# Altium PCB AC_controller_v1_0.PcbDoc (part 1 of 2) (continued)
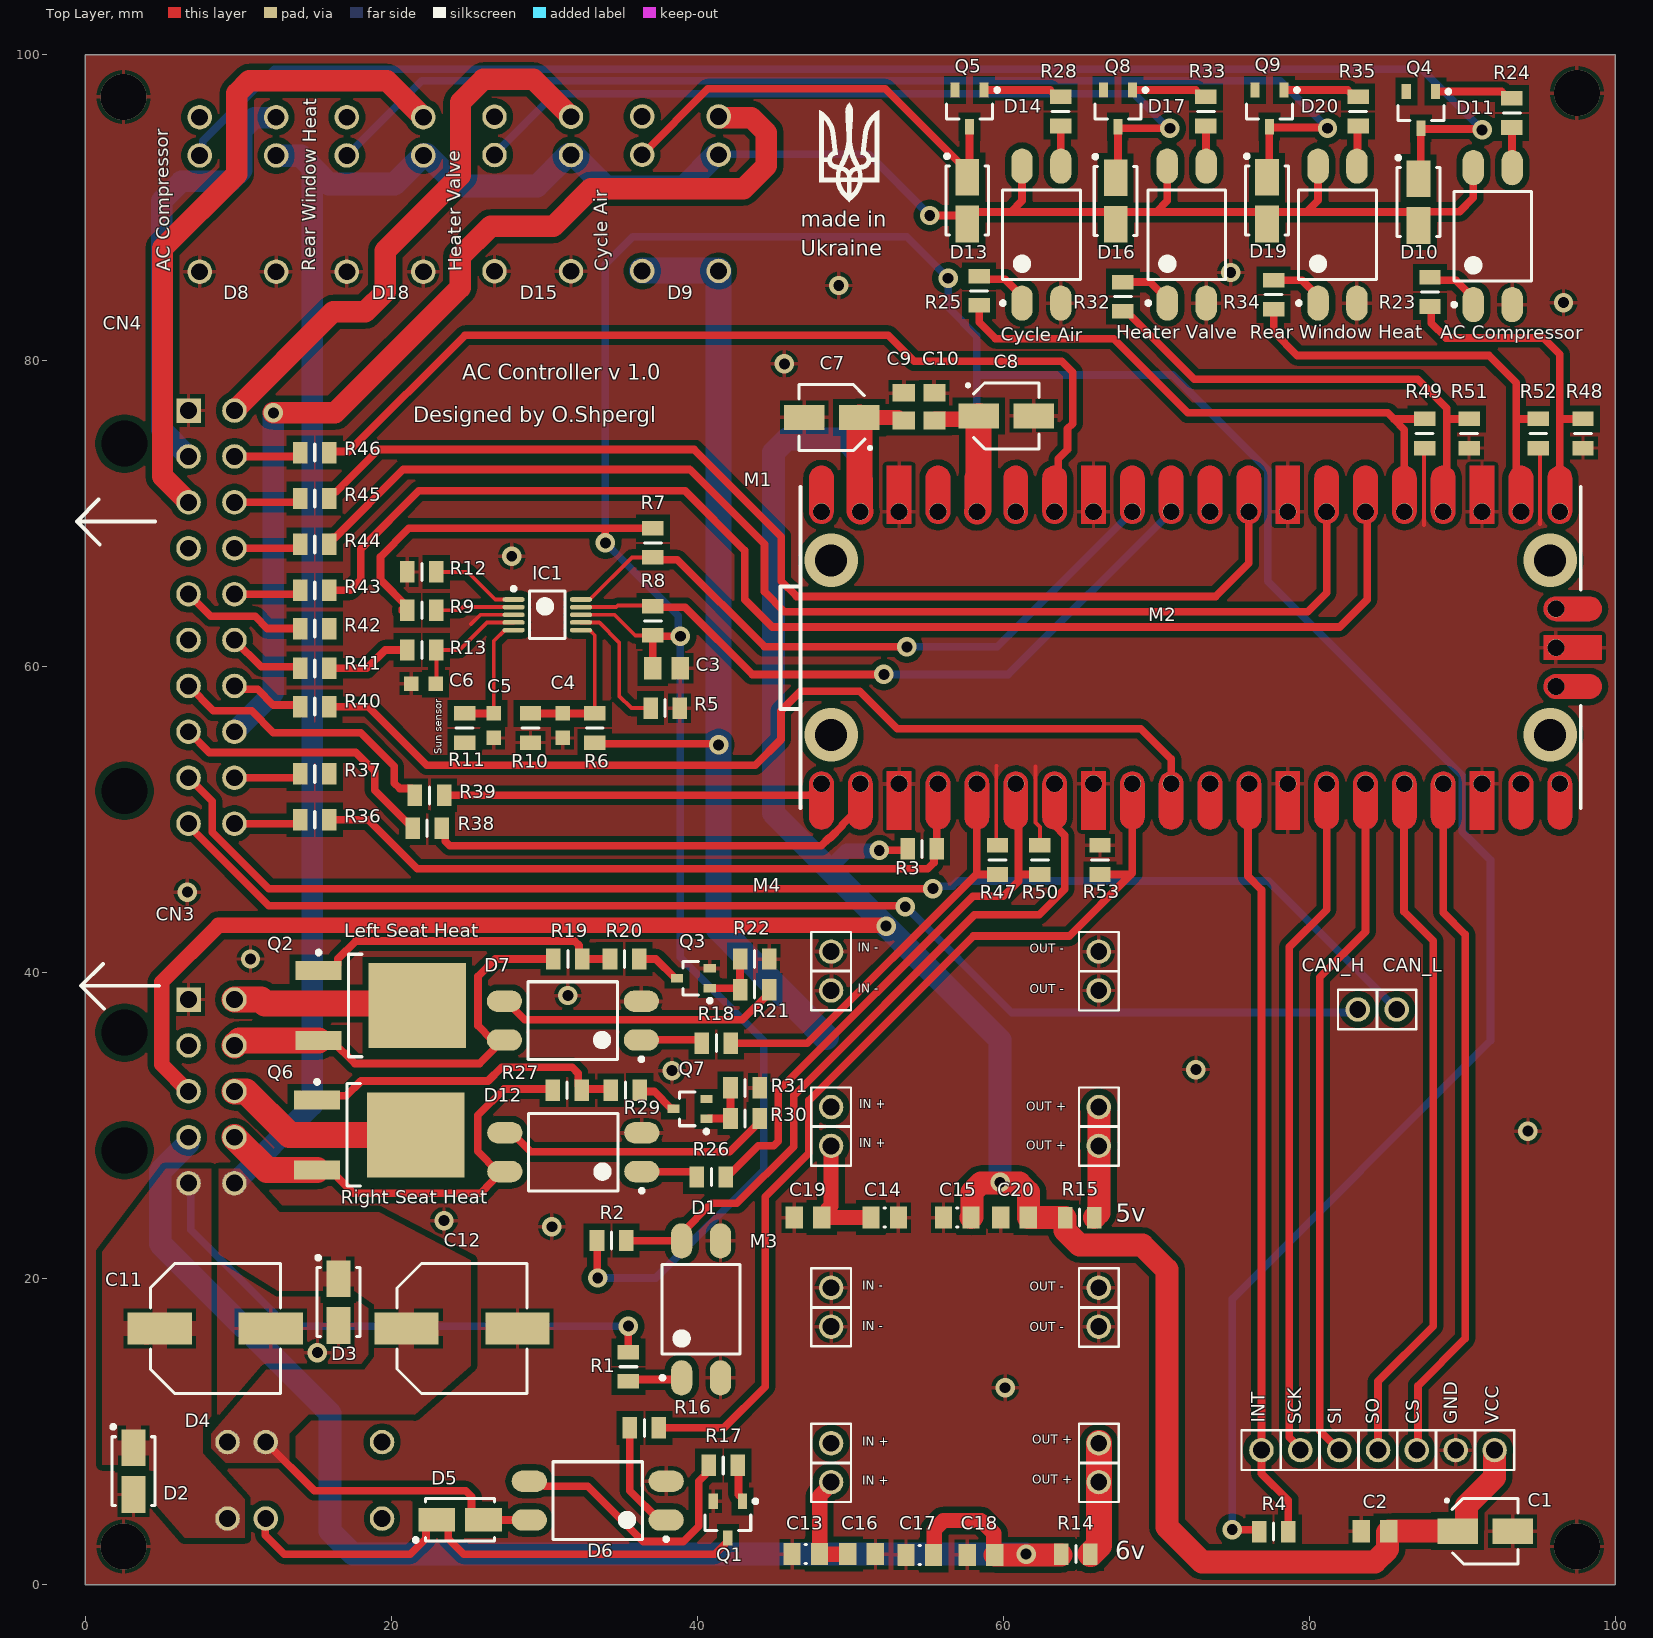
[diagram p0: Top Layer view]
## Footprints (in the part's own frame and the unit in brackets; to place one, negate y for a bottom-side part, rotate by r counter-clockwise, add the part's x,y. Pads: shape width x height; smd on the part's side, far side on the other; paste and mask are expansions set on the pad)
CAPAE430X550N [mm]
  rect 2.65x1.65 smd: 1(-1.8,0) 2(1.8,0)
  silkscreen extent -2.6,-2.15 2.15,2.15, body extent -2.3,-2.15 2.3,2.15, height 5.4
CAPAE9983X102N [mm] "Aluminum Electrolytic Capacitor, Body 8,30x8,30x10,20mm, IPC Medium Density"
  rect 4.2x2.1 smd: 1(-3.625,0) 2(3.625,0)
  silkscreen extent -4.25,-4.25 4.25,4.25, body extent -4.25,-4.25 4.25,4.25, height 10.2
CAPC1608X87N [mm]
  rect 0.95x0.95 smd: 1(-0.8,0) 2(0.8,0)
  body extent -0.8,-0.4 0.8,0.4, height 0.9
CAPC2012X88N [mm]
  rect 1.15x1.45 smd: 1(-0.9,0) 2(0.9,0)
  body extent -1,-0.62 1,0.63, height 1
CAPC2012X140N [mm]
  rect 1.1x1.45 smd: 1(-0.9,0) 2(0.9,0)
  silkscreen extent -0.05,-0.62 0.05,0.63, body extent -1,-0.63 1,0.64, height 1.42
CN_10pin_MFGK-10 [mm] "20 pin Micro Fit 3.0 male connetctor"
  rect 1.6x1.6 hole 1.1: 1(2.75,6)
  round 1.6 hole 1.1: 2(2.75,3) 3(2.75,0) 4(2.75,-3) 5(2.75,-6) 6(5.75,-6) 7(5.75,-3) 8(5.75,0) 9(5.75,3) 10(5.75,6)
  round 1.6 hole 3: Z(-1.435,-3.86) Z(-1.435,3.84)
  silkscreen extent -4.28,5.4 0.83,8.32, body extent -6.1,-9.58 6.13,9.57, height 8.73
CN_20pin_MFGK-20 [mm] "20 pin Micro Fit 3.0 male connetctor"
  rect 1.6x1.6 hole 1.1: 1(3,13.5)
  round 1.6 hole 1.1: 2(3,10.5) 3(3,7.5) 4(3,4.5) 5(3,1.5) 6(3,-1.5) 7(3,-4.5) 8(3,-7.5) 9(3,-10.5) 10(3,-13.5) 11(6,-13.5) 12(6,-10.5) 13(6,-7.5) 14(6,-4.5) 15(6,-1.5) 16(6,1.5) 17(6,4.5) 18(6,7.5) 19(6,10.5) 20(6,13.5)
  round 1.6 hole 3: Z(-1.185,-11.36) Z(-1.185,11.34)
  silkscreen extent -4.3,4.75 0.8,7.68, body extent -5.95,-17.08 6.28,17.07, height 8.78
DO-214AC [mm] "Molded Diode, 2-Leads, Body 4,25x2,67mm, IPC Medium Density"
  rect 2.4x1.55 smd: 1(-1.525,0) 2(1.525,0)
  silkscreen extent -2.25,-1.4 3.02,1.45, body extent -2.25,-1.4 2.25,1.39, height 2.29
DPAK229P991X239-3N [mm] "D-PAK, 3-Pads, Body 6,21x6,73mm (max), IPC Medium Density"
  rect 3x1.25 smd: 1(-4.1,2.29) 3(-4.1,-2.29)
  rect 6.4x5.55 smd: 2(2.35,0)
  silkscreen extent -4.22,-3.35 -1.25,3.59, body extent -2.15,-3.37 4.07,3.37, height 2.39
"IC_LiteOn_ LTV-817S" [mm]
  oval 2.3x1.4 smd: 1(-4.475,1.27) 2(-4.475,-1.27) 3(4.475,-1.27) 4(4.475,1.27)
  silkscreen extent -4.6,-2.54 2.93,2.64, body extent -5.08,-2.31 5.08,2.29, height 3.74
MCH_BSC_SS_112L [mm]
  round 1.6 hole 1.1: 1(-2.4,2.1) 2(-2.4,-5.5) 3(-2.4,-8) 4(2.6,-8) 5(2.6,-5.5) 6(2.6,2.1)
  body extent -3.65,-9.82 3.85,2.8, height 10
MOD_MCP2515 [mm] "MOD_MCP2515 CAN module"
  round 1.6 hole 1.1: 1(0,0) 2(0,-2.54) 3(0,-5.08) 4(0,-7.62) 5(0,-10.16) 6(0,-12.7) 7(0,-15.24) 8(28.8,-8.84) 9(28.8,-6.3)
  silkscreen extent -1.3,-16.51 30.1,1.3, body extent -1.31,-21.63 38.81,6.37, height 13.46
MOD_MP1584_3A [mm] "DC-DC converter 3A"
  round 1.6 hole 1.1: 1(0,0) 2(0,-2.54) 3(0,-10.16) 4(0,-12.7) 5(17.5,-12.7) 6(17.5,-10.16) 7(17.5,-2.54) 8(17.5,0)
  silkscreen extent -1.3,-13.97 18.8,1.3, body extent -2.25,-14.7 19.85,2.1, height 4.1
MOD_Raspberry_Pi_Pico [mm]
  round 1.125 hole 1.1: 1(-8.89,24.13) 2(-8.89,21.59) 3(-8.89,19.05) 4(-8.89,16.51) 5(-8.89,13.97) 6(-8.89,11.43) 7(-8.89,8.89) 8(-8.89,6.35) 9(-8.89,3.81) 10(-8.89,1.27) 11(-8.89,-1.27) 12(-8.89,-3.81) 13(-8.89,-6.35) 14(-8.89,-8.89) 15(-8.89,-11.43) 16(-8.89,-13.97) 17(-8.89,-16.51) 18(-8.89,-19.05) 19(-8.89,-21.59) 20(-8.89,-24.13) 21(8.89,-24.13) 22(8.89,-21.59) 23(8.89,-19.05) 24(8.89,-16.51) 25(8.89,-13.97) 26(8.89,-11.43) 27(8.89,-8.89) 28(8.89,-6.35) 29(8.89,-3.81) 30(8.89,-1.27) 31(8.89,1.27) 32(8.89,3.81) 33(8.89,6.35) 34(8.89,8.89) 35(8.89,11.43) 36(8.89,13.97) 37(8.89,16.51) 38(8.89,19.05) 39(8.89,21.59) 40(8.89,24.13) 41(-2.54,-23.876) 42(0,-23.876) 43(2.54,-23.876)
  Top Layer region: 1.74,-23.876 1.847,-23.476 2.14,-23.183 2.54,-23.076 2.54,-23.076 2.846,-23.137 3.106,-23.31 3.279,-23.57 3.34,-23.876 3.34,-23.876 3.34,-26.076 3.279,-26.382 3.106,-26.642 2.846,-26.815 2.54,-26.876 2.54,-26.876 2.234,-26.815 1.974,-26.642 1.801,-26.382 1.74,-26.076 1.74,-26.076
  Top Layer region: -3.34,-23.876 -3.233,-23.476 -2.94,-23.183 -2.54,-23.076 -2.54,-23.076 -2.234,-23.137 -1.974,-23.31 -1.801,-23.57 -1.74,-23.876 -1.74,-23.876 -1.74,-26.076 -1.801,-26.382 -1.974,-26.642 -2.234,-26.815 -2.54,-26.876 -2.54,-26.876 -2.846,-26.815 -3.106,-26.642 -3.279,-26.382 -3.34,-26.076 -3.34,-26.076
  Top Layer region: -0.8,-23.076 0.8,-23.076 0.8,-26.876 -0.8,-26.876
  Top Layer region: 8.09,7.15 8.09,5.55 11.89,5.55 11.89,7.15
  Top Layer region: 8.09,-5.55 8.09,-7.15 11.89,-7.15 11.89,-5.55
  Top Layer region: -8.09,-18.25 -8.09,-19.85 -11.89,-19.85 -11.89,-18.25
  Top Layer region: -8.09,-5.55 -8.09,-7.15 -11.89,-7.15 -11.89,-5.55
  Top Layer region: 8.89,23.33 8.49,23.437 8.197,23.73 8.09,24.13 8.09,24.13 8.151,24.436 8.324,24.696 8.584,24.869 8.89,24.93 8.89,24.93 11.09,24.93 11.396,24.869 11.656,24.696 11.829,24.436 11.89,24.13 11.89,24.13 11.829,23.824 11.656,23.564 11.396,23.391 11.09,23.33 11.09,23.33
  Top Layer region: 8.89,20.79 8.49,20.897 8.197,21.19 8.09,21.59 8.09,21.59 8.151,21.896 8.324,22.156 8.584,22.329 8.89,22.39 8.89,22.39 11.09,22.39 11.396,22.329 11.656,22.156 11.829,21.896 11.89,21.59 11.89,21.59 11.829,21.284 11.656,21.024 11.396,20.851 11.09,20.79 11.09,20.79
  Top Layer region: 8.89,15.71 8.49,15.817 8.197,16.11 8.09,16.51 8.09,16.51 8.151,16.816 8.324,17.076 8.584,17.249 8.89,17.31 8.89,17.31 11.09,17.31 11.396,17.249 11.656,17.076 11.829,16.816 11.89,16.51 11.89,16.51 11.829,16.204 11.656,15.944 11.396,15.771 11.09,15.71 11.09,15.71
  Top Layer region: 8.89,13.17 8.49,13.277 8.197,13.57 8.09,13.97 8.09,13.97 8.151,14.276 8.324,14.536 8.584,14.709 8.89,14.77 8.89,14.77 11.09,14.77 11.396,14.709 11.656,14.536 11.829,14.276 11.89,13.97 11.89,13.97 11.829,13.664 11.656,13.404 11.396,13.231 11.09,13.17 11.09,13.17
  Top Layer region: 8.89,10.63 8.49,10.737 8.197,11.03 8.09,11.43 8.09,11.43 8.151,11.736 8.324,11.996 8.584,12.169 8.89,12.23 8.89,12.23 11.09,12.23 11.396,12.169 11.656,11.996 11.829,11.736 11.89,11.43 11.89,11.43 11.829,11.124 11.656,10.864 11.396,10.691 11.09,10.63 11.09,10.63
  Top Layer region: 8.89,8.09 8.49,8.197 8.197,8.49 8.09,8.89 8.09,8.89 8.151,9.196 8.324,9.456 8.584,9.629 8.89,9.69 8.89,9.69 11.09,9.69 11.396,9.629 11.656,9.456 11.829,9.196 11.89,8.89 11.89,8.89 11.829,8.584 11.656,8.324 11.396,8.151 11.09,8.09 11.09,8.09
  Top Layer region: 8.89,3.01 8.49,3.117 8.197,3.41 8.09,3.81 8.09,3.81 8.151,4.116 8.324,4.376 8.584,4.549 8.89,4.61 8.89,4.61 11.09,4.61 11.396,4.549 11.656,4.376 11.829,4.116 11.89,3.81 11.89,3.81 11.829,3.504 11.656,3.244 11.396,3.071 11.09,3.01 11.09,3.01
  Top Layer region: 8.89,0.47 8.49,0.577 8.197,0.87 8.09,1.27 8.09,1.27 8.151,1.576 8.324,1.836 8.584,2.009 8.89,2.07 8.89,2.07 11.09,2.07 11.396,2.009 11.656,1.836 11.829,1.576 11.89,1.27 11.89,1.27 11.829,0.964 11.656,0.704 11.396,0.531 11.09,0.47 11.09,0.47
  Top Layer region: 8.89,-2.07 8.49,-1.963 8.197,-1.67 8.09,-1.27 8.09,-1.27 8.151,-0.964 8.324,-0.704 8.584,-0.531 8.89,-0.47 8.89,-0.47 11.09,-0.47 11.396,-0.531 11.656,-0.704 11.829,-0.964 11.89,-1.27 11.89,-1.27 11.829,-1.576 11.656,-1.836 11.396,-2.009 11.09,-2.07 11.09,-2.07
  Top Layer region: 8.89,-4.61 8.49,-4.503 8.197,-4.21 8.09,-3.81 8.09,-3.81 8.151,-3.504 8.324,-3.244 8.584,-3.071 8.89,-3.01 8.89,-3.01 11.09,-3.01 11.396,-3.071 11.656,-3.244 11.829,-3.504 11.89,-3.81 11.89,-3.81 11.829,-4.116 11.656,-4.376 11.396,-4.549 11.09,-4.61 11.09,-4.61
  Top Layer region: 8.89,-9.69 8.49,-9.583 8.197,-9.29 8.09,-8.89 8.09,-8.89 8.151,-8.584 8.324,-8.324 8.584,-8.151 8.89,-8.09 8.89,-8.09 11.09,-8.09 11.396,-8.151 11.656,-8.324 11.829,-8.584 11.89,-8.89 11.89,-8.89 11.829,-9.196 11.656,-9.456 11.396,-9.629 11.09,-9.69 11.09,-9.69
  Top Layer region: 8.89,-12.23 8.49,-12.123 8.197,-11.83 8.09,-11.43 8.09,-11.43 8.151,-11.124 8.324,-10.864 8.584,-10.691 8.89,-10.63 8.89,-10.63 11.09,-10.63 11.396,-10.691 11.656,-10.864 11.829,-11.124 11.89,-11.43 11.89,-11.43 11.829,-11.736 11.656,-11.996 11.396,-12.169 11.09,-12.23 11.09,-12.23
  Top Layer region: 8.89,-14.77 8.49,-14.663 8.197,-14.37 8.09,-13.97 8.09,-13.97 8.151,-13.664 8.324,-13.404 8.584,-13.231 8.89,-13.17 8.89,-13.17 11.09,-13.17 11.396,-13.231 11.656,-13.404 11.829,-13.664 11.89,-13.97 11.89,-13.97 11.829,-14.276 11.656,-14.536 11.396,-14.709 11.09,-14.77 11.09,-14.77
  Top Layer region: 8.89,-17.31 8.49,-17.203 8.197,-16.91 8.09,-16.51 8.09,-16.51 8.151,-16.204 8.324,-15.944 8.584,-15.771 8.89,-15.71 8.89,-15.71 11.09,-15.71 11.396,-15.771 11.656,-15.944 11.829,-16.204 11.89,-16.51 11.89,-16.51 11.829,-16.816 11.656,-17.076 11.396,-17.249 11.09,-17.31 11.09,-17.31
  Top Layer region: 8.89,-22.39 8.49,-22.283 8.197,-21.99 8.09,-21.59 8.09,-21.59 8.151,-21.284 8.324,-21.024 8.584,-20.851 8.89,-20.79 8.89,-20.79 11.09,-20.79 11.396,-20.851 11.656,-21.024 11.829,-21.284 11.89,-21.59 11.89,-21.59 11.829,-21.896 11.656,-22.156 11.396,-22.329 11.09,-22.39 11.09,-22.39
  Top Layer region: 8.89,-24.93 8.49,-24.823 8.197,-24.53 8.09,-24.13 8.09,-24.13 8.151,-23.824 8.324,-23.564 8.584,-23.391 8.89,-23.33 8.89,-23.33 11.09,-23.33 11.396,-23.391 11.656,-23.564 11.829,-23.824 11.89,-24.13 11.89,-24.13 11.829,-24.436 11.656,-24.696 11.396,-24.869 11.09,-24.93 11.09,-24.93
  Top Layer region: -8.89,-23.33 -8.49,-23.437 -8.197,-23.73 -8.09,-24.13 -8.09,-24.13 -8.151,-24.436 -8.324,-24.696 -8.584,-24.869 -8.89,-24.93 -8.89,-24.93 -11.09,-24.93 -11.396,-24.869 -11.656,-24.696 -11.829,-24.436 -11.89,-24.13 -11.89,-24.13 -11.829,-23.824 -11.656,-23.564 -11.396,-23.391 -11.09,-23.33 -11.09,-23.33
  Top Layer region: -8.89,-20.79 -8.49,-20.897 -8.197,-21.19 -8.09,-21.59 -8.09,-21.59 -8.151,-21.896 -8.324,-22.156 -8.584,-22.329 -8.89,-22.39 -8.89,-22.39 -11.09,-22.39 -11.396,-22.329 -11.656,-22.156 -11.829,-21.896 -11.89,-21.59 -11.89,-21.59 -11.829,-21.284 -11.656,-21.024 -11.396,-20.851 -11.09,-20.79 -11.09,-20.79
  Top Layer region: -8.89,-15.71 -8.49,-15.817 -8.197,-16.11 -8.09,-16.51 -8.09,-16.51 -8.151,-16.816 -8.324,-17.076 -8.584,-17.249 -8.89,-17.31 -8.89,-17.31 -11.09,-17.31 -11.396,-17.249 -11.656,-17.076 -11.829,-16.816 -11.89,-16.51 -11.89,-16.51 -11.829,-16.204 -11.656,-15.944 -11.396,-15.771 -11.09,-15.71 -11.09,-15.71
  Top Layer region: -8.89,-13.17 -8.49,-13.277 -8.197,-13.57 -8.09,-13.97 -8.09,-13.97 -8.151,-14.276 -8.324,-14.536 -8.584,-14.709 -8.89,-14.77 -8.89,-14.77 -11.09,-14.77 -11.396,-14.709 -11.656,-14.536 -11.829,-14.276 -11.89,-13.97 -11.89,-13.97 -11.829,-13.664 -11.656,-13.404 -11.396,-13.231 -11.09,-13.17 -11.09,-13.17
  Top Layer region: -8.89,-10.63 -8.49,-10.737 -8.197,-11.03 -8.09,-11.43 -8.09,-11.43 -8.151,-11.736 -8.324,-11.996 -8.584,-12.169 -8.89,-12.23 -8.89,-12.23 -11.09,-12.23 -11.396,-12.169 -11.656,-11.996 -11.829,-11.736 -11.89,-11.43 -11.89,-11.43 -11.829,-11.124 -11.656,-10.864 -11.396,-10.691 -11.09,-10.63 -11.09,-10.63
  Top Layer region: -8.89,-8.09 -8.49,-8.197 -8.197,-8.49 -8.09,-8.89 -8.09,-8.89 -8.151,-9.196 -8.324,-9.456 -8.584,-9.629 -8.89,-9.69 -8.89,-9.69 -11.09,-9.69 -11.396,-9.629 -11.656,-9.456 -11.829,-9.196 -11.89,-8.89 -11.89,-8.89 -11.829,-8.584 -11.656,-8.324 -11.396,-8.151 -11.09,-8.09 -11.09,-8.09
  Top Layer region: -8.89,-3.01 -8.49,-3.117 -8.197,-3.41 -8.09,-3.81 -8.09,-3.81 -8.151,-4.116 -8.324,-4.376 -8.584,-4.549 -8.89,-4.61 -8.89,-4.61 -11.09,-4.61 -11.396,-4.549 -11.656,-4.376 -11.829,-4.116 -11.89,-3.81 -11.89,-3.81 -11.829,-3.504 -11.656,-3.244 -11.396,-3.071 -11.09,-3.01 -11.09,-3.01
  Top Layer region: -8.89,-0.47 -8.49,-0.577 -8.197,-0.87 -8.09,-1.27 -8.09,-1.27 -8.151,-1.576 -8.324,-1.836 -8.584,-2.009 -8.89,-2.07 -8.89,-2.07 -11.09,-2.07 -11.396,-2.009 -11.656,-1.836 -11.829,-1.576 -11.89,-1.27 -11.89,-1.27 -11.829,-0.964 -11.656,-0.704 -11.396,-0.531 -11.09,-0.47 -11.09,-0.47
  Top Layer region: -8.89,2.07 -8.49,1.963 -8.197,1.67 -8.09,1.27 -8.09,1.27 -8.151,0.964 -8.324,0.704 -8.584,0.531 -8.89,0.47 -8.89,0.47 -11.09,0.47 -11.396,0.531 -11.656,0.704 -11.829,0.964 -11.89,1.27 -11.89,1.27 -11.829,1.576 -11.656,1.836 -11.396,2.009 -11.09,2.07 -11.09,2.07
  Top Layer region: -8.89,4.61 -8.49,4.503 -8.197,4.21 -8.09,3.81 -8.09,3.81 -8.151,3.504 -8.324,3.244 -8.584,3.071 -8.89,3.01 -8.89,3.01 -11.09,3.01 -11.396,3.071 -11.656,3.244 -11.829,3.504 -11.89,3.81 -11.89,3.81 -11.829,4.116 -11.656,4.376 -11.396,4.549 -11.09,4.61 -11.09,4.61
  Top Layer region: -8.89,9.69 -8.49,9.583 -8.197,9.29 -8.09,8.89 -8.09,8.89 -8.151,8.584 -8.324,8.324 -8.584,8.151 -8.89,8.09 -8.89,8.09 -11.09,8.09 -11.396,8.151 -11.656,8.324 -11.829,8.584 -11.89,8.89 -11.89,8.89 -11.829,9.196 -11.656,9.456 -11.396,9.629 -11.09,9.69 -11.09,9.69
  Top Layer region: -8.89,12.23 -8.49,12.123 -8.197,11.83 -8.09,11.43 -8.09,11.43 -8.151,11.124 -8.324,10.864 -8.584,10.691 -8.89,10.63 -8.89,10.63 -11.09,10.63 -11.396,10.691 -11.656,10.864 -11.829,11.124 -11.89,11.43 -11.89,11.43 -11.829,11.736 -11.656,11.996 -11.396,12.169 -11.09,12.23 -11.09,12.23
  Top Layer region: -8.89,14.77 -8.49,14.663 -8.197,14.37 -8.09,13.97 -8.09,13.97 -8.151,13.664 -8.324,13.404 -8.584,13.231 -8.89,13.17 -8.89,13.17 -11.09,13.17 -11.396,13.231 -11.656,13.404 -11.829,13.664 -11.89,13.97 -11.89,13.97 -11.829,14.276 -11.656,14.536 -11.396,14.709 -11.09,14.77 -11.09,14.77
  Top Layer region: -8.89,17.31 -8.49,17.203 -8.197,16.91 -8.09,16.51 -8.09,16.51 -8.151,16.204 -8.324,15.944 -8.584,15.771 -8.89,15.71 -8.89,15.71 -11.09,15.71 -11.396,15.771 -11.656,15.944 -11.829,16.204 -11.89,16.51 -11.89,16.51 -11.829,16.816 -11.656,17.076 -11.396,17.249 -11.09,17.31 -11.09,17.31
  Top Layer region: -8.89,22.39 -8.49,22.283 -8.197,21.99 -8.09,21.59 -8.09,21.59 -8.151,21.284 -8.324,21.024 -8.584,20.851 -8.89,20.79 -8.89,20.79 -11.09,20.79 -11.396,20.851 -11.656,21.024 -11.829,21.284 -11.89,21.59 -11.89,21.59 -11.829,21.896 -11.656,22.156 -11.396,22.329 -11.09,22.39 -11.09,22.39
  Top Layer region: -8.89,24.93 -8.49,24.823 -8.197,24.53 -8.09,24.13 -8.09,24.13 -8.151,23.824 -8.324,23.564 -8.584,23.391 -8.89,23.33 -8.89,23.33 -11.09,23.33 -11.396,23.391 -11.656,23.564 -11.829,23.824 -11.89,24.13 -11.89,24.13 -11.829,24.436 -11.656,24.696 -11.396,24.869 -11.09,24.93 -11.09,24.93
  Top Layer region: -8.09,19.85 -8.09,18.25 -11.89,18.25 -11.89,19.85
  Top Layer region: -8.09,7.15 -8.09,5.55 -11.89,5.55 -11.89,7.15
  Top Layer region: 8.09,19.85 8.09,18.25 11.89,18.25 11.89,19.85
  Top Layer region: 8.09,-18.25 8.09,-19.85 11.89,-19.85 11.89,-18.25
  Bottom Layer region: 1.74,-23.876 1.847,-23.476 2.14,-23.183 2.54,-23.076 2.54,-23.076 2.846,-23.137 3.106,-23.31 3.279,-23.57 3.34,-23.876 3.34,-23.876 3.34,-26.076 3.279,-26.382 3.106,-26.642 2.846,-26.815 2.54,-26.876 2.54,-26.876 2.234,-26.815 1.974,-26.642 1.801,-26.382 1.74,-26.076 1.74,-26.076
  Bottom Layer region: -3.34,-23.876 -3.233,-23.476 -2.94,-23.183 -2.54,-23.076 -2.54,-23.076 -2.234,-23.137 -1.974,-23.31 -1.801,-23.57 -1.74,-23.876 -1.74,-23.876 -1.74,-26.076 -1.801,-26.382 -1.974,-26.642 -2.234,-26.815 -2.54,-26.876 -2.54,-26.876 -2.846,-26.815 -3.106,-26.642 -3.279,-26.382 -3.34,-26.076 -3.34,-26.076
  Bottom Layer region: -0.8,-23.076 0.8,-23.076 0.8,-26.876 -0.8,-26.876
  Bottom Layer region: 8.09,7.15 8.09,5.55 11.89,5.55 11.89,7.15
  Bottom Layer region: 8.09,-5.55 8.09,-7.15 11.89,-7.15 11.89,-5.55
  Bottom Layer region: -8.09,-18.25 -8.09,-19.85 -11.89,-19.85 -11.89,-18.25
  Bottom Layer region: -8.09,-5.55 -8.09,-7.15 -11.89,-7.15 -11.89,-5.55
  Bottom Layer region: 8.89,23.33 8.49,23.437 8.197,23.73 8.09,24.13 8.09,24.13 8.151,24.436 8.324,24.696 8.584,24.869 8.89,24.93 8.89,24.93 11.09,24.93 11.396,24.869 11.656,24.696 11.829,24.436 11.89,24.13 11.89,24.13 11.829,23.824 11.656,23.564 11.396,23.391 11.09,23.33 11.09,23.33
  Bottom Layer region: 8.89,20.79 8.49,20.897 8.197,21.19 8.09,21.59 8.09,21.59 8.151,21.896 8.324,22.156 8.584,22.329 8.89,22.39 8.89,22.39 11.09,22.39 11.396,22.329 11.656,22.156 11.829,21.896 11.89,21.59 11.89,21.59 11.829,21.284 11.656,21.024 11.396,20.851 11.09,20.79 11.09,20.79
  Bottom Layer region: 8.89,15.71 8.49,15.817 8.197,16.11 8.09,16.51 8.09,16.51 8.151,16.816 8.324,17.076 8.584,17.249 8.89,17.31 8.89,17.31 11.09,17.31 11.396,17.249 11.656,17.076 11.829,16.816 11.89,16.51 11.89,16.51 11.829,16.204 11.656,15.944 11.396,15.771 11.09,15.71 11.09,15.71
  Bottom Layer region: 8.89,13.17 8.49,13.277 8.197,13.57 8.09,13.97 8.09,13.97 8.151,14.276 8.324,14.536 8.584,14.709 8.89,14.77 8.89,14.77 11.09,14.77 11.396,14.709 11.656,14.536 11.829,14.276 11.89,13.97 11.89,13.97 11.829,13.664 11.656,13.404 11.396,13.231 11.09,13.17 11.09,13.17
  Bottom Layer region: 8.89,10.63 8.49,10.737 8.197,11.03 8.09,11.43 8.09,11.43 8.151,11.736 8.324,11.996 8.584,12.169 8.89,12.23 8.89,12.23 11.09,12.23 11.396,12.169 11.656,11.996 11.829,11.736 11.89,11.43 11.89,11.43 11.829,11.124 11.656,10.864 11.396,10.691 11.09,10.63 11.09,10.63
  Bottom Layer region: 8.89,8.09 8.49,8.197 8.197,8.49 8.09,8.89 8.09,8.89 8.151,9.196 8.324,9.456 8.584,9.629 8.89,9.69 8.89,9.69 11.09,9.69 11.396,9.629 11.656,9.456 11.829,9.196 11.89,8.89 11.89,8.89 11.829,8.584 11.656,8.324 11.396,8.151 11.09,8.09 11.09,8.09
  Bottom Layer region: 8.89,3.01 8.49,3.117 8.197,3.41 8.09,3.81 8.09,3.81 8.151,4.116 8.324,4.376 8.584,4.549 8.89,4.61 8.89,4.61 11.09,4.61 11.396,4.549 11.656,4.376 11.829,4.116 11.89,3.81 11.89,3.81 11.829,3.504 11.656,3.244 11.396,3.071 11.09,3.01 11.09,3.01
  Bottom Layer region: 8.89,0.47 8.49,0.577 8.197,0.87 8.09,1.27 8.09,1.27 8.151,1.576 8.324,1.836 8.584,2.009 8.89,2.07 8.89,2.07 11.09,2.07 11.396,2.009 11.656,1.836 11.829,1.576 11.89,1.27 11.89,1.27 11.829,0.964 11.656,0.704 11.396,0.531 11.09,0.47 11.09,0.47
  Bottom Layer region: 8.89,-2.07 8.49,-1.963 8.197,-1.67 8.09,-1.27 8.09,-1.27 8.151,-0.964 8.324,-0.704 8.584,-0.531 8.89,-0.47 8.89,-0.47 11.09,-0.47 11.396,-0.531 11.656,-0.704 11.829,-0.964 11.89,-1.27 11.89,-1.27 11.829,-1.576 11.656,-1.836 11.396,-2.009 11.09,-2.07 11.09,-2.07
  Bottom Layer region: 8.89,-4.61 8.49,-4.503 8.197,-4.21 8.09,-3.81 8.09,-3.81 8.151,-3.504 8.324,-3.244 8.584,-3.071 8.89,-3.01 8.89,-3.01 11.09,-3.01 11.396,-3.071 11.656,-3.244 11.829,-3.504 11.89,-3.81 11.89,-3.81 11.829,-4.116 11.656,-4.376 11.396,-4.549 11.09,-4.61 11.09,-4.61
  Bottom Layer region: 8.89,-9.69 8.49,-9.583 8.197,-9.29 8.09,-8.89 8.09,-8.89 8.151,-8.584 8.324,-8.324 8.584,-8.151 8.89,-8.09 8.89,-8.09 11.09,-8.09 11.396,-8.151 11.656,-8.324 11.829,-8.584 11.89,-8.89 11.89,-8.89 11.829,-9.196 11.656,-9.456 11.396,-9.629 11.09,-9.69 11.09,-9.69
  Bottom Layer region: 8.89,-12.23 8.49,-12.123 8.197,-11.83 8.09,-11.43 8.09,-11.43 8.151,-11.124 8.324,-10.864 8.584,-10.691 8.89,-10.63 8.89,-10.63 11.09,-10.63 11.396,-10.691 11.656,-10.864 11.829,-11.124 11.89,-11.43 11.89,-11.43 11.829,-11.736 11.656,-11.996 11.396,-12.169 11.09,-12.23 11.09,-12.23
  Bottom Layer region: 8.89,-14.77 8.49,-14.663 8.197,-14.37 8.09,-13.97 8.09,-13.97 8.151,-13.664 8.324,-13.404 8.584,-13.231 8.89,-13.17 8.89,-13.17 11.09,-13.17 11.396,-13.231 11.656,-13.404 11.829,-13.664 11.89,-13.97 11.89,-13.97 11.829,-14.276 11.656,-14.536 11.396,-14.709 11.09,-14.77 11.09,-14.77
  Bottom Layer region: 8.89,-17.31 8.49,-17.203 8.197,-16.91 8.09,-16.51 8.09,-16.51 8.151,-16.204 8.324,-15.944 8.584,-15.771 8.89,-15.71 8.89,-15.71 11.09,-15.71 11.396,-15.771 11.656,-15.944 11.829,-16.204 11.89,-16.51 11.89,-16.51 11.829,-16.816 11.656,-17.076 11.396,-17.249 11.09,-17.31 11.09,-17.31
  Bottom Layer region: 8.89,-22.39 8.49,-22.283 8.197,-21.99 8.09,-21.59 8.09,-21.59 8.151,-21.284 8.324,-21.024 8.584,-20.851 8.89,-20.79 8.89,-20.79 11.09,-20.79 11.396,-20.851 11.656,-21.024 11.829,-21.284 11.89,-21.59 11.89,-21.59 11.829,-21.896 11.656,-22.156 11.396,-22.329 11.09,-22.39 11.09,-22.39
  Bottom Layer region: 8.89,-24.93 8.49,-24.823 8.197,-24.53 8.09,-24.13 8.09,-24.13 8.151,-23.824 8.324,-23.564 8.584,-23.391 8.89,-23.33 8.89,-23.33 11.09,-23.33 11.396,-23.391 11.656,-23.564 11.829,-23.824 11.89,-24.13 11.89,-24.13 11.829,-24.436 11.656,-24.696 11.396,-24.869 11.09,-24.93 11.09,-24.93
  Bottom Layer region: -8.89,-23.33 -8.49,-23.437 -8.197,-23.73 -8.09,-24.13 -8.09,-24.13 -8.151,-24.436 -8.324,-24.696 -8.584,-24.869 -8.89,-24.93 -8.89,-24.93 -11.09,-24.93 -11.396,-24.869 -11.656,-24.696 -11.829,-24.436 -11.89,-24.13 -11.89,-24.13 -11.829,-23.824 -11.656,-23.564 -11.396,-23.391 -11.09,-23.33 -11.09,-23.33
  Bottom Layer region: -8.89,-20.79 -8.49,-20.897 -8.197,-21.19 -8.09,-21.59 -8.09,-21.59 -8.151,-21.896 -8.324,-22.156 -8.584,-22.329 -8.89,-22.39 -8.89,-22.39 -11.09,-22.39 -11.396,-22.329 -11.656,-22.156 -11.829,-21.896 -11.89,-21.59 -11.89,-21.59 -11.829,-21.284 -11.656,-21.024 -11.396,-20.851 -11.09,-20.79 -11.09,-20.79
  Bottom Layer region: -8.89,-15.71 -8.49,-15.817 -8.197,-16.11 -8.09,-16.51 -8.09,-16.51 -8.151,-16.816 -8.324,-17.076 -8.584,-17.249 -8.89,-17.31 -8.89,-17.31 -11.09,-17.31 -11.396,-17.249 -11.656,-17.076 -11.829,-16.816 -11.89,-16.51 -11.89,-16.51 -11.829,-16.204 -11.656,-15.944 -11.396,-15.771 -11.09,-15.71 -11.09,-15.71
  Bottom Layer region: -8.89,-13.17 -8.49,-13.277 -8.197,-13.57 -8.09,-13.97 -8.09,-13.97 -8.151,-14.276 -8.324,-14.536 -8.584,-14.709 -8.89,-14.77 -8.89,-14.77 -11.09,-14.77 -11.396,-14.709 -11.656,-14.536 -11.829,-14.276 -11.89,-13.97 -11.89,-13.97 -11.829,-13.664 -11.656,-13.404 -11.396,-13.231 -11.09,-13.17 -11.09,-13.17
  Bottom Layer region: -8.89,-10.63 -8.49,-10.737 -8.197,-11.03 -8.09,-11.43 -8.09,-11.43 -8.151,-11.736 -8.324,-11.996 -8.584,-12.169 -8.89,-12.23 -8.89,-12.23 -11.09,-12.23 -11.396,-12.169 -11.656,-11.996 -11.829,-11.736 -11.89,-11.43 -11.89,-11.43 -11.829,-11.124 -11.656,-10.864 -11.396,-10.691 -11.09,-10.63 -11.09,-10.63
  Bottom Layer region: -8.89,-8.09 -8.49,-8.197 -8.197,-8.49 -8.09,-8.89 -8.09,-8.89 -8.151,-9.196 -8.324,-9.456 -8.584,-9.629 -8.89,-9.69 -8.89,-9.69 -11.09,-9.69 -11.396,-9.629 -11.656,-9.456 -11.829,-9.196 -11.89,-8.89 -11.89,-8.89 -11.829,-8.584 -11.656,-8.324 -11.396,-8.151 -11.09,-8.09 -11.09,-8.09
  Bottom Layer region: -8.89,-3.01 -8.49,-3.117 -8.197,-3.41 -8.09,-3.81 -8.09,-3.81 -8.151,-4.116 -8.324,-4.376 -8.584,-4.549 -8.89,-4.61 -8.89,-4.61 -11.09,-4.61 -11.396,-4.549 -11.656,-4.376 -11.829,-4.116 -11.89,-3.81 -11.89,-3.81 -11.829,-3.504 -11.656,-3.244 -11.396,-3.071 -11.09,-3.01 -11.09,-3.01
  Bottom Layer region: -8.89,-0.47 -8.49,-0.577 -8.197,-0.87 -8.09,-1.27 -8.09,-1.27 -8.151,-1.576 -8.324,-1.836 -8.584,-2.009 -8.89,-2.07 -8.89,-2.07 -11.09,-2.07 -11.396,-2.009 -11.656,-1.836 -11.829,-1.576 -11.89,-1.27 -11.89,-1.27 -11.829,-0.964 -11.656,-0.704 -11.396,-0.531 -11.09,-0.47 -11.09,-0.47
  Bottom Layer region: -8.89,2.07 -8.49,1.963 -8.197,1.67 -8.09,1.27 -8.09,1.27 -8.151,0.964 -8.324,0.704 -8.584,0.531 -8.89,0.47 -8.89,0.47 -11.09,0.47 -11.396,0.531 -11.656,0.704 -11.829,0.964 -11.89,1.27 -11.89,1.27 -11.829,1.576 -11.656,1.836 -11.396,2.009 -11.09,2.07 -11.09,2.07
  Bottom Layer region: -8.89,4.61 -8.49,4.503 -8.197,4.21 -8.09,3.81 -8.09,3.81 -8.151,3.504 -8.324,3.244 -8.584,3.071 -8.89,3.01 -8.89,3.01 -11.09,3.01 -11.396,3.071 -11.656,3.244 -11.829,3.504 -11.89,3.81 -11.89,3.81 -11.829,4.116 -11.656,4.376 -11.396,4.549 -11.09,4.61 -11.09,4.61
  Bottom Layer region: -8.89,9.69 -8.49,9.583 -8.197,9.29 -8.09,8.89 -8.09,8.89 -8.151,8.584 -8.324,8.324 -8.584,8.151 -8.89,8.09 -8.89,8.09 -11.09,8.09 -11.396,8.151 -11.656,8.324 -11.829,8.584 -11.89,8.89 -11.89,8.89 -11.829,9.196 -11.656,9.456 -11.396,9.629 -11.09,9.69 -11.09,9.69
  Bottom Layer region: -8.89,12.23 -8.49,12.123 -8.197,11.83 -8.09,11.43 -8.09,11.43 -8.151,11.124 -8.324,10.864 -8.584,10.691 -8.89,10.63 -8.89,10.63 -11.09,10.63 -11.396,10.691 -11.656,10.864 -11.829,11.124 -11.89,11.43 -11.89,11.43 -11.829,11.736 -11.656,11.996 -11.396,12.169 -11.09,12.23 -11.09,12.23
  Bottom Layer region: -8.89,14.77 -8.49,14.663 -8.197,14.37 -8.09,13.97 -8.09,13.97 -8.151,13.664 -8.324,13.404 -8.584,13.231 -8.89,13.17 -8.89,13.17 -11.09,13.17 -11.396,13.231 -11.656,13.404 -11.829,13.664 -11.89,13.97 -11.89,13.97 -11.829,14.276 -11.656,14.536 -11.396,14.709 -11.09,14.77 -11.09,14.77
  Bottom Layer region: -8.89,17.31 -8.49,17.203 -8.197,16.91 -8.09,16.51 -8.09,16.51 -8.151,16.204 -8.324,15.944 -8.584,15.771 -8.89,15.71 -8.89,15.71 -11.09,15.71 -11.396,15.771 -11.656,15.944 -11.829,16.204 -11.89,16.51 -11.89,16.51 -11.829,16.816 -11.656,17.076 -11.396,17.249 -11.09,17.31 -11.09,17.31
  Bottom Layer region: -8.89,22.39 -8.49,22.283 -8.197,21.99 -8.09,21.59 -8.09,21.59 -8.151,21.284 -8.324,21.024 -8.584,20.851 -8.89,20.79 -8.89,20.79 -11.09,20.79 -11.396,20.851 -11.656,21.024 -11.829,21.284 -11.89,21.59 -11.89,21.59 -11.829,21.896 -11.656,22.156 -11.396,22.329 -11.09,22.39 -11.09,22.39
  Bottom Layer region: -8.89,24.93 -8.49,24.823 -8.197,24.53 -8.09,24.13 -8.09,24.13 -8.151,23.824 -8.324,23.564 -8.584,23.391 -8.89,23.33 -8.89,23.33 -11.09,23.33 -11.396,23.391 -11.656,23.564 -11.829,23.824 -11.89,24.13 -11.89,24.13 -11.829,24.436 -11.656,24.696 -11.396,24.869 -11.09,24.93 -11.09,24.93
  Bottom Layer region: -8.09,19.85 -8.09,18.25 -11.89,18.25 -11.89,19.85
  Bottom Layer region: -8.09,7.15 -8.09,5.55 -11.89,5.55 -11.89,7.15
  Bottom Layer region: 8.09,19.85 8.09,18.25 11.89,18.25 11.89,19.85
  Bottom Layer region: 8.09,-18.25 8.09,-19.85 11.89,-19.85 11.89,-18.25
  silkscreen extent -10.49,-25.5 10.49,26.81, body extent -10.5,-25.5 10.5,26.93, height 4.19
RESC2012X60N [mm]
  rect 0.95x1.4 smd: 1(-0.95,0) 2(0.95,0)
  silkscreen extent 0,-0.55 0,0.55, body extent -1,-0.62 1,0.63, height 0.6
SOT23 [mm] "SOT23, 3-Leads, Body 2,90x2,45mm, Pitch 0,95mm, IPC Medium Density"
  rect 1x0.6 smd: 1(-1.2,0.95) 2(-1.2,-0.95) 3(1.2,0)
  silkscreen extent -1.32,-1.5 0.7,1.93, body extent -1.32,-1.5 1.32,1.5, height 1.08
SOT65P210X110-3N [mm] "SOT23, 3-Leads, Body 2,00x2,10mm, Pitch 0,65mm, IPC Medium Density"
  rect 0.8x0.55 smd: 1(-1.075,0.65) 2(-1.075,-0.65) 3(1.075,0)
  silkscreen extent -1.2,-1.1 0.67,1.6, body extent -0.67,-1.1 0.67,1.1, height 1.1
VSSOP-10 [mm] "VSSOP, 10-Leads, Body 3.00x3.00mm, Pitch 0.50mm, IPC Medium Density"
  oval 1.45x0.3 smd: 1(-2.2,1) 2(-2.2,0.5) 3(-2.2,0) 4(-2.2,-0.5) 5(-2.2,-1) 6(2.2,-1) 7(2.2,-0.5) 8(2.2,0) 9(2.2,0.5) 10(2.2,1)
  silkscreen extent -2.32,-1.55 1.15,1.82, body extent -2.45,-1.55 2.45,1.55, height 1.1